# Altium PCB SAMC21_Xplained_Pro.PcbDoc (part 4 of 4)
Units mm, origin at the board's own origin, x right, y up, seen from the top; angles counter-clockwise.
Board outline 60 x 100 mm, 4 copper layers (Top Layer LF-signals, GND, POWER, Bottom Layer LF-signals), stack 1.604 mm thick; 218 components, 156 nets, 975 pads, 347 vias.
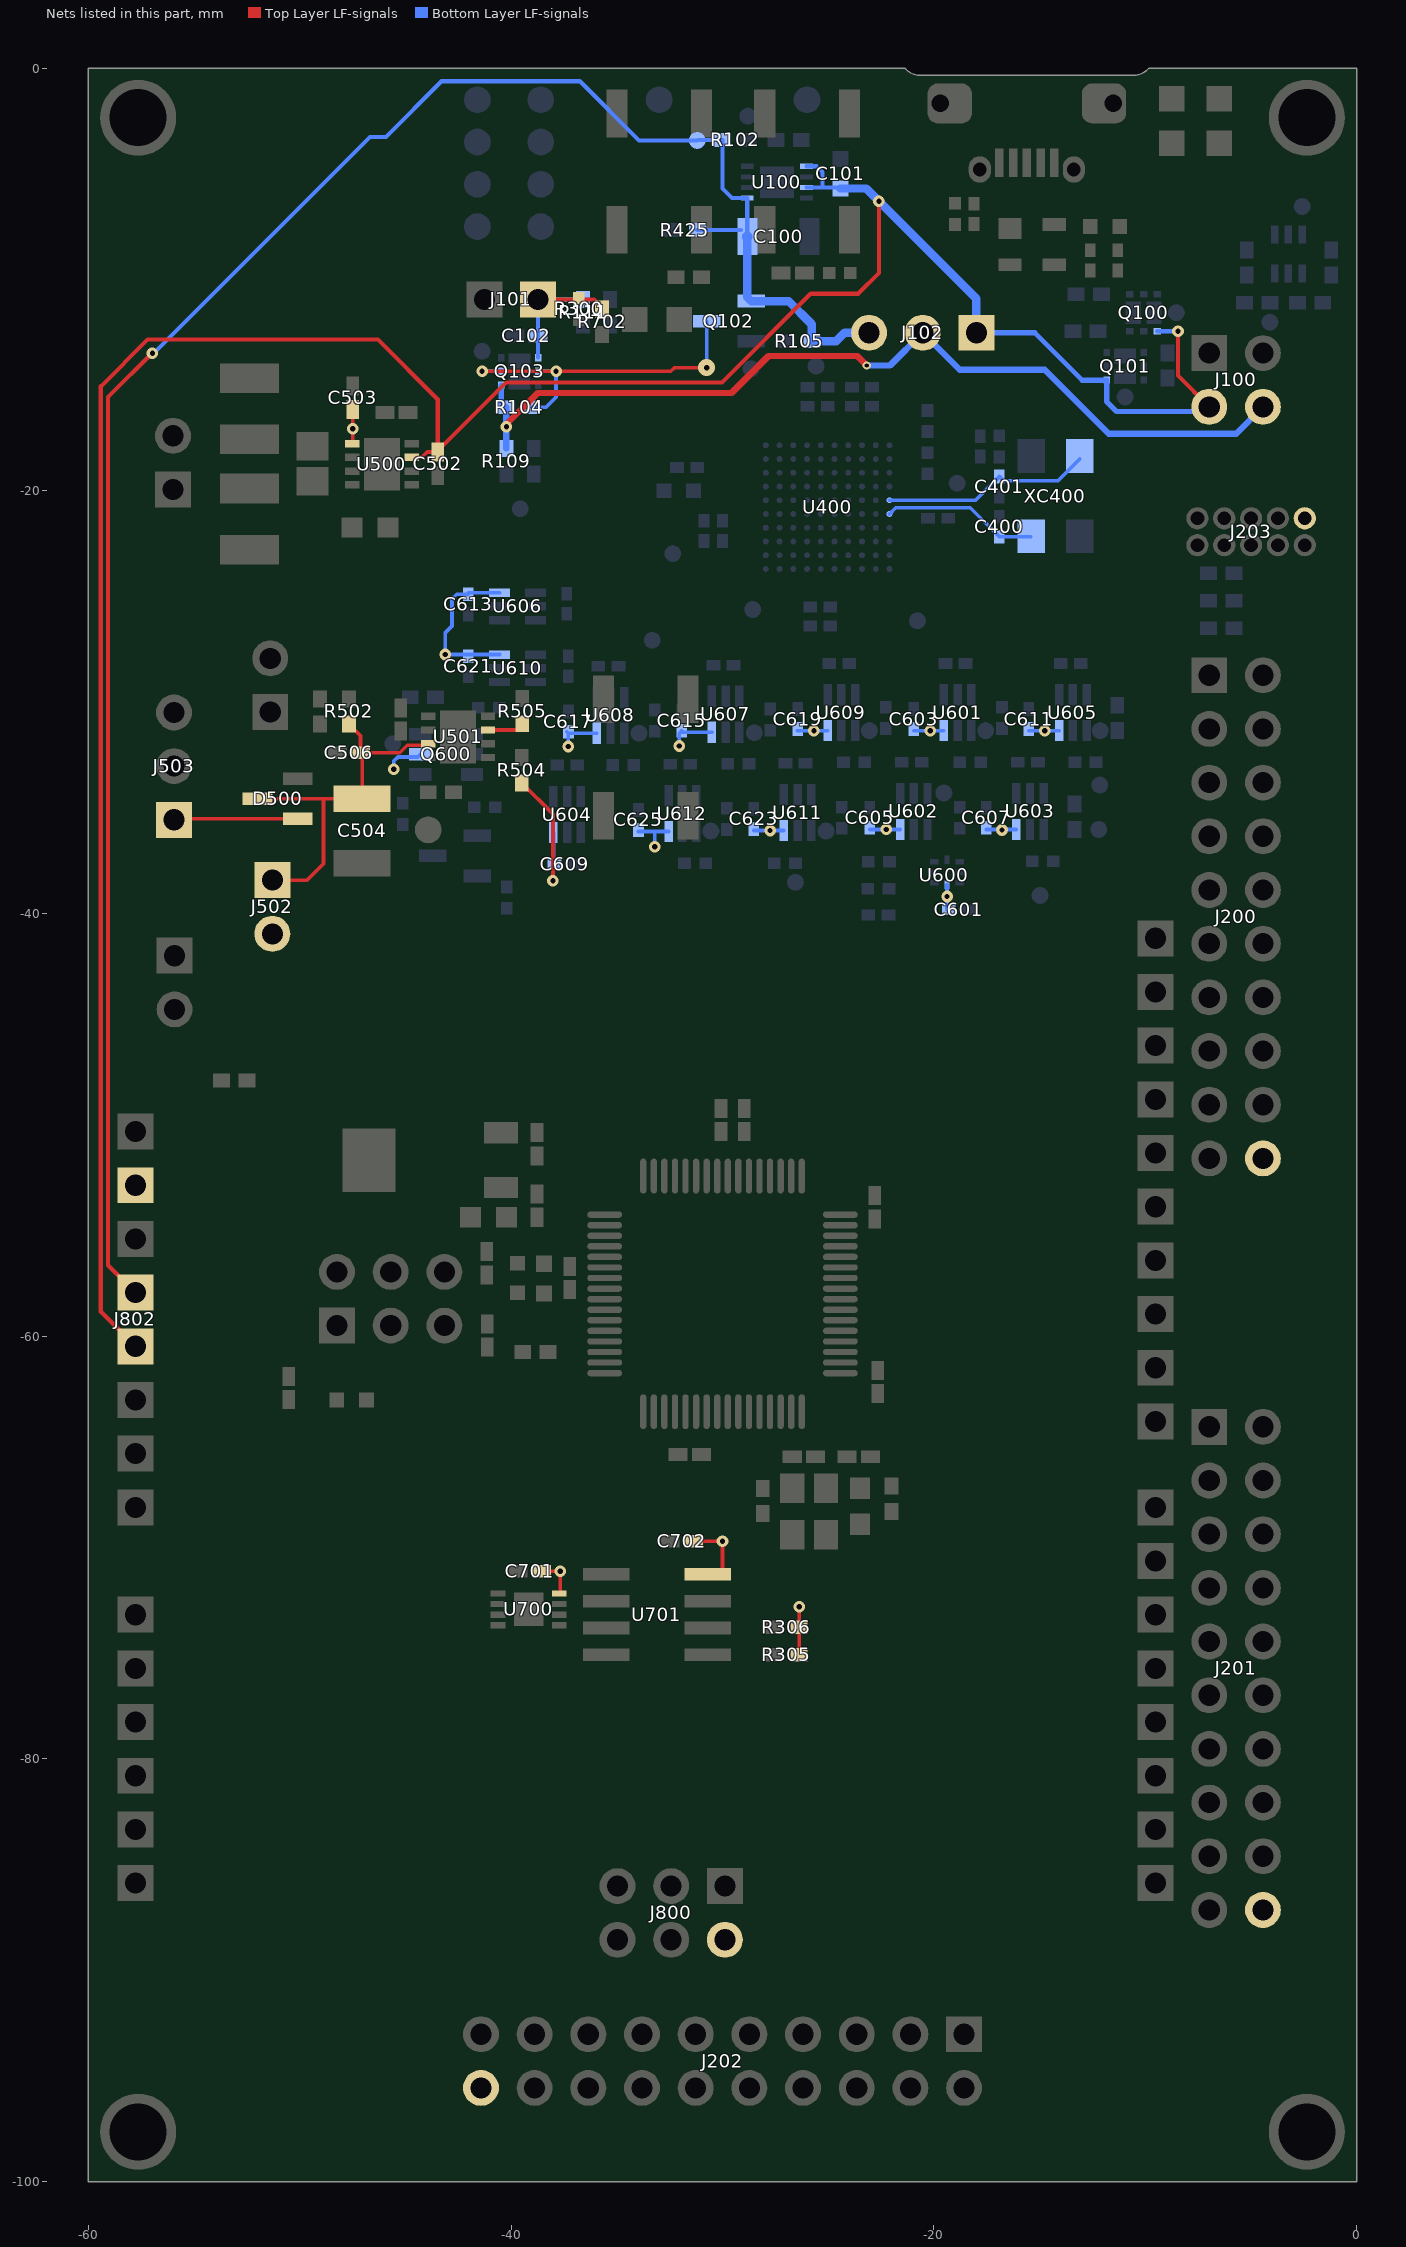
[diagram p6: the nets of this part, all layers, seen from the top]

## Via types
v1: diameter 0.55, hole 0.25, Top Layer LF-signals to Bottom Layer LF-signals, 245 vias
v2: diameter 0.55/0.8 (per signal layer), hole 0.25, Top Layer LF-signals to Bottom Layer LF-signals, tented top, 43 vias
v3: diameter 0.55, hole 0.25, Top Layer LF-signals to Bottom Layer LF-signals, tented top, 19 vias
v4: diameter 0.55, hole 0.25, Top Layer LF-signals to Bottom Layer LF-signals, tented both sides, 16 vias
v5: diameter 0.4, hole 0.2, Top Layer LF-signals to Bottom Layer LF-signals, tented both sides, 10 vias
v6: diameter 0.4, hole 0.2, Top Layer LF-signals to Bottom Layer LF-signals, tented top, 7 vias
v7: diameter 0.4, hole 0.2, Top Layer LF-signals to Bottom Layer LF-signals, 6 vias
v8: diameter 0.55/0.55 (per signal layer), hole 0.25, Top Layer LF-signals to Bottom Layer LF-signals, 1 vias

## Nets (pads, with @x,y where several pads share a name; then routed paths per layer and width w, separated by ;. In a path a pad name is that pad's centre, name@x,y a point inside that pad or via, vN(x,y) a via of type N, cw(c..) or ccw(c..) an arc to the next point about the centre after c; other vN are vias at no path point) (continued)
VCC_P3V3: C100.1 J102.3@-23.065,-12.525 J802.4@-57.778,-57.94 pad.3@-31.2,-3.425 Q102.1 R102.1 R105.1 R425.2 U100.5 | length 97
  Top Layer LF-signals w0.2: J802.4@-57.778,-57.94 -59.075,-56.643 -59.075,-15.57 -56.975,-13.47 v1(-56.975,-13.495)
  Bottom Layer LF-signals w0.2: v1@-56.948,-13.523 -46.685,-3.26 -45.925,-3.26 -43.29,-0.625 -36.75,-0.625 -33.95,-3.425 pad.3@-31.2,-3.425 -31.175,-3.4 R102.1@-30,-3.4 -30,-5.7 -29.55,-6.15 U100.5@-28.825,-6.15 C100.1@-28.825,-7.975 ; R425.2@-31.19,-7.665 C100.1@-29.135,-7.665
  Bottom Layer LF-signals w0.4: C100.1@-28.825,-7.975 -28.825,-10.85 Q102.1@-28.65,-11.025 -26.875,-11.025 -25.775,-12.125 R105.1@-25.775,-12.925 -24.625,-12.925 -24.225,-12.525 J102.3@-23.065,-12.525
VCC_P5V0: C101.1 C502.1 J100.3@-6.97,-16.03 J102.1@-17.985,-12.525 J802.5@-57.778,-60.48 Q100.4 Q101.4 U100.1 U100.3 U500.3 | length 127.6
  Top Layer LF-signals w0.175: U500.3@-44.7,-18.42 -44.225,-18.42 -43.975,-18.17 C502.1@-43.533,-18.17
  Top Layer LF-signals w0.2: J802.5@-57.778,-60.48 -59.415,-58.843 -59.415,-15.06 -57.2,-12.845 -46.305,-12.845 -43.475,-15.675 C502.1@-43.475,-18.17 ; C502.1@-43.533,-18.17 -40.238,-14.875 -30.025,-14.875 -25.825,-10.675 -23.575,-10.675 -22.6,-9.7 v1(-22.6,-6.3) v1@-22.625,-6.275 ; v1(-8.45,-12.45) -8.45,-14.55 J100.3@-6.97,-16.03
  Bottom Layer LF-signals w0.2: U100.3@-26.025,-5.65 -25.275,-5.65 ; U100.1@-26.025,-4.65 -25.55,-4.65 -25.275,-4.925 -25.275,-5.65 ; C101.1@-24.425,-5.675 -24.45,-5.65 -25.275,-5.65 ; Q100.4@-9.425,-12.45 v1(-8.45,-12.45)
  Bottom Layer LF-signals w0.25: C101.1@-24.425,-5.699 C101.1@-24.425,-5.675 ; J102.1@-17.985,-12.525 -15.225,-12.525 -12.98,-14.77 -11.835,-14.77 Q101.4@-11.825,-14.76 -11.825,-15.775 -11.35,-16.25 -7.19,-16.25 J100.3@-6.97,-16.03
  Bottom Layer LF-signals w0.4: C101.1@-24.425,-5.699 -23.202,-5.699 v1(-22.6,-6.3) -17.985,-10.915 J102.1@-17.985,-12.525
VCC_TARGET_GATE: Q102.3 Q103.2 Q103.5 R104.2 | length 17.2
  Top Layer LF-signals w0.175: v1(-41.375,-14.35) v1(-37.875,-14.35) -32.45,-14.35 -32.275,-14.175 v2(-30.75,-14.175)
  Bottom Layer LF-signals w0.175: v1(-41.375,-14.35) Q103.2@-40.475,-14.35 ; R104.2@-39.025,-16.05 -38.35,-16.05 -37.875,-15.575 v1(-37.875,-14.35) Q103.5@-38.725,-14.35 ; v2(-30.75,-14.175) Q102.3@-30.75,-11.975
VCC_TARGET_P3V3_P5V0: C102.1 C503.1 C601.2 C603.2 C605.2 C607.2 C609.2 C611.2 C613.2 C615.2 C617.2 C619.2 C621.2 C623.2 C625.2 C701.1 C702.1 J101.2 J200.20@-4.43,-51.59 J201.20@-4.43,-87.15 J202.20@-41.43,-95.57 J203.1@-2.45,-21.305 J502.2@-51.3,-40.965 J800.2@-29.889,-88.56 J802.2@-57.778,-52.86 Q103.4 Q600.2 R111.2 R300.2 R305.2 R306.2 R504.2 R702.2 U500.5 U600.8 U601.6 U602.6 U603.6 U604.6 U605.6 U606.6 U607.6 U608.6 U609.6 U610.6 U611.6 U612.6 U700.8 U701.8 | length 50.1
  Top Layer LF-signals w0.175: U500.5@-47.524,-17.77 -47.5,-17.745 C503.1@-47.5,-16.145 ; R504.2@-39.562,-33.887 R504.2@-39.5,-33.825 -38.025,-35.3 v1(-38.025,-38.45) ; J101.2@-38.73,-10.95 -36.075,-10.95 R702.2@-35.675,-11.35 ; C701.1@-38.575,-71.125 v1(-37.675,-71.125) -37.675,-72.125 U700.8@-37.725,-72.175 ; C702.1@-31.375,-69.7 v1(-30,-69.7) -30,-71.175 U701.8@-30.095,-71.27 ; R305.2@-26.375,-75.075 v1(-26.375,-72.8)
  Bottom Layer LF-signals w0.175: v1(-45.55,-33.175) -45.55,-32.788 -45.36,-32.598 -44.423,-32.598 Q600.2@-44.3,-32.475 ; C613.2@-42.025,-24.9 -42.575,-24.9 -42.8,-25.125 -42.8,-26.4 -43.125,-26.725 v1(-43.125,-27.75) U610.6@-40.55,-27.75 ; C613.2@-42.025,-24.825 U606.6@-40.55,-24.825 ; J101.2@-38.73,-10.95 R111.2@-36.6,-10.95 ; v1(-38.025,-38.45) -38.025,-37.675 -38,-37.65 U604.6@-38,-36.175 ; C617.2@-37.375,-31.4 C617.2@-37.3,-31.475 ; v1@-37.3,-32.075 C617.2@-37.3,-31.475 ; U608.6@-35.95,-31.475 C617.2@-37.3,-31.475 ; C625.2@-33.975,-36.125 -33.2,-36.125 ; v1(-33.2,-36.85) -33.2,-36.125 ; U612.6@-32.55,-36.125 -33.2,-36.125 ; v1(-32.05,-32.075) -32.05,-31.475 C615.2@-31.925,-31.35 -31.925,-31.425 U607.6@-30.5,-31.425 ; C623.2@-28.525,-36.075 U611.6@-27.1,-36.075 ; C619.2@-26.45,-31.35 U609.6@-25.025,-31.35 ; C605.2@-23.025,-36.025 U602.6@-21.6,-36.025 ; C603.2@-20.95,-31.35 U601.6@-19.525,-31.35 ; C601.2@-19.375,-39.825 U600.8@-19.375,-38.65 ; C607.2@-17.525,-36.025 U603.6@-16.1,-36.025 ; C611.2@-15.5,-31.35 U605.6@-14.075,-31.35
  Bottom Layer LF-signals w0.2: J101.2@-38.958,-11.178 -38.725,-11.411 C102.1@-38.725,-12.675 Q103.4@-38.725,-13.7
  other v1: -19.375,-39.2 -27.75,-36.075 -16.775,-36.05 -22.25,-36.025 -37.3,-32.1 -25.675,-31.35 -20.175,-31.35 -14.75,-31.35 -47.5,-17.07
VCC_TARGET_SWITCH_P3V3_P5V0: J100.4@-4.43,-16.03 J102.2@-20.525,-12.525 Q103.1 R104.1 R109.2 | length 43.7
  Top Layer LF-signals w0.3: v1(-40.225,-16.975) -40.225,-16.85 -38.75,-15.375 -29.575,-15.375 -27.825,-13.625 -23.625,-13.625 v7(-23.175,-14.075)
  Bottom Layer LF-signals w0.25: Q103.1@-40.475,-15 -40.475,-15.8 R104.1@-40.225,-16.05
  Bottom Layer LF-signals w0.3: R109.2@-40.225,-18 R104.1@-40.225,-16.05 ; v7(-23.175,-14.075) -22.075,-14.075 J102.2@-20.525,-12.525 -18.775,-14.275 -14.75,-14.275 -11.725,-17.3 -5.7,-17.3 J100.4@-4.43,-16.03
VS: D500.1 J503.1@-55.95,-35.57 | length 5.9
  Top Layer LF-signals w0.175: J503.1@-55.95,-35.57 -55.9,-35.52 D500.1@-50.1,-35.52
VS_LIN: C504.1 C506.1 D500.3 J502.1@-51.3,-38.425 R502.2 U501.7 | length 18.6
  Top Layer LF-signals w0.175: D500.3@-52,-34.57 -48.875,-34.57 ; J502.1@-51.3,-38.425 -49.655,-38.425 -48.875,-37.645 -48.875,-34.57 ; C504.1@-48.048,-34.068 C504.1@-47.545,-34.57 ; R502.2@-47.675,-31.045 -47.125,-31.595 C506.1@-47.125,-32.4 ; U501.7@-43.925,-31.97 -43.925,-32.043 -44.918,-32.043 -45.275,-32.4 -47.05,-32.4 C504.1@-47.05,-34.57 C504.1@-47.545,-34.57 ; -48.875,-34.57 C504.1@-47.545,-34.57
WKIN: R505.2 U501.3 | length 1.7
  Top Layer LF-signals w0.175: U501.3@-41.1,-31.32 R505.2@-39.4,-31.32
XIN0: C400.1 U400.A5 XC400.1 | length 7.4
  Bottom Layer LF-signals w0.175: U400.A5@-22.1,-21.1 -21.8,-20.8 -18.275,-20.8 C400.1@-16.9,-22.175 XC400.1@-15.425,-22.175
XOUT0: C401.1 U400.A6 XC400.3 | length 10
  Bottom Layer LF-signals w0.175: U400.A6@-22.1,-20.45 -18.025,-20.45 C401.1@-16.9,-19.325 -16.7,-19.525 -14.125,-19.525 XC400.3@-13.1,-18.5
pads on no net: CS700.1 J100.1@-6.97,-13.49 J100.2@-4.43,-13.49 J100.3@-6.97,-16.03 J100.4@-4.43,-16.03 J102.1@-17.985,-12.525 J102.2@-20.525,-12.525 J102.3@-23.065,-12.525 J200.1@-6.97,-28.73 J200.2@-4.43,-28.73 J200.3@-6.97,-31.27 J200.4@-4.43,-31.27 J200.5@-6.97,-33.81 J200.6@-4.43,-33.81 J200.7@-6.97,-36.35 J200.8@-4.43,-36.35 J200.9@-6.97,-38.89 J200.10@-4.43,-38.89 J200.11@-6.97,-41.43 J200.12@-4.43,-41.43 J200.13@-6.97,-43.97 J200.14@-4.43,-43.97 J200.15@-6.97,-46.51 J200.16@-4.43,-46.51 J200.17@-6.97,-49.05 J200.18@-4.43,-49.05 J200.19@-6.97,-51.59 J200.20@-4.43,-51.59 J201.1@-6.97,-64.29 J201.2@-4.43,-64.29 J201.3@-6.97,-66.83 J201.4@-4.43,-66.83 J201.5@-6.97,-69.37 J201.6@-4.43,-69.37 J201.7@-6.97,-71.91 J201.8@-4.43,-71.91 J201.9@-6.97,-74.45 J201.10@-4.43,-74.45 J201.11@-6.97,-76.99 J201.12@-4.43,-76.99 J201.13@-6.97,-79.53 J201.14@-4.43,-79.53 J201.15@-6.97,-82.07 J201.16@-4.43,-82.07 J201.17@-6.97,-84.61 J201.18@-4.43,-84.61 J201.19@-6.97,-87.15 J201.20@-4.43,-87.15 J202.1@-18.57,-93.03 J202.2@-18.57,-95.57 J202.3@-21.11,-93.03 J202.4@-21.11,-95.57 J202.5@-23.65,-93.03 J202.6@-23.65,-95.57 J202.7@-26.19,-93.03 J202.8@-26.19,-95.57 J202.9@-28.73,-93.03 J202.10@-28.73,-95.57 J202.11@-31.27,-93.03 J202.12@-31.27,-95.57 J202.13@-33.81,-93.03 J202.14@-33.81,-95.57 J202.15@-36.35,-93.03 J202.16@-36.35,-95.57 J202.17@-38.89,-93.03 J202.18@-38.89,-95.57 J202.19@-41.43,-93.03 J202.20@-41.43,-95.57 J203.1@-2.45,-21.305 J203.2@-2.45,-22.575 J203.3@-3.72,-21.305 J203.4@-3.72,-22.575 J203.5@-4.99,-21.305 J203.6 J203.7 J203.8 J203.9@-7.53,-21.305 J203.10@-7.53,-22.575 J400.4 J400.6@-12,-1.675 J400.7@-19.2,-1.675 J400.8@-13.375,-4.8 J400.9@-17.825,-4.8 J500.1@-56,-19.94 J500.2@-56,-17.4 J501.1@-51.4,-30.47 J501.2@-51.4,-27.93 J502.1@-51.3,-38.425 J502.2@-51.3,-40.965 J503.1@-55.95,-35.57 J503.2@-55.95,-33.03 J503.3@-55.95,-30.49 J700.1@-55.925,-42 J700.2@-55.925,-44.54 J701.1@-48.24,-59.5 J701.2@-48.24,-56.96 J701.3@-45.7,-59.5 J701.4@-45.7,-56.96 J701.5@-43.16,-59.5 J701.6@-43.16,-56.96 J800.1@-29.889,-86.02 J800.2@-29.889,-88.56 J800.3@-32.429,-86.02 J800.4@-32.429,-88.56 J800.5@-34.969,-86.02 J800.6@-34.969,-88.56 J801.1@-9.518,-64.036 J801.2@-9.518,-61.496 J801.3@-9.518,-58.956 J801.4@-9.518,-56.416 J801.5@-9.518,-53.876 J801.6@-9.518,-51.336 J801.7@-9.518,-48.796 J801.8@-9.518,-46.256 J801.9@-9.518,-43.716 J801.10@-9.518,-41.176 J802.1 J802.2@-57.778,-52.86 J802.3@-57.778,-55.4 J802.4@-57.778,-57.94 J802.5@-57.778,-60.48 J802.6@-57.778,-63.02 J802.7@-57.778,-65.56 J802.8@-57.778,-68.1 J803.1@-57.778,-73.18 J803.2@-57.778,-75.72 J803.3@-57.778,-78.26 J803.4@-57.778,-80.8 J803.5@-57.778,-83.34 J803.6@-57.778,-85.88 J804.1@-9.518,-85.88 J804.2@-9.518,-83.34 J804.3@-9.518,-80.8 J804.4@-9.518,-78.26 J804.5@-9.518,-75.72 J804.6@-9.518,-73.18 J804.7@-9.518,-70.64 J804.8@-9.518,-68.1 U100.0 U100.2 U100.4 U100.6 U400.A3 U400.A4 U400.A7 U400.B1 U400.C1 U400.C2 U400.C4 U400.C6 U400.D1 U400.D2 U400.D3 U400.D5 U400.D7 U400.E1 U400.E3 U400.E4 U400.E7 U400.E8 U400.F3 U400.F4 U400.G1 U400.G4 U400.G6 U400.G8 U400.G9 U400.G10 U400.H5 U400.H10 U400.J2 U400.J3 U400.J7 U400.K5 U400.K6 U400.K7 U600.2@-20.25,-38.925 U700.1 U700.2 U700.3 U700.7 U701.1 U701.2 U701.3 U701.7 XC400.2 XC400.4

## Polygon pours and split planes (outlines as drawn)
no net on Top Overlay "MountingHole_Index" (solid): -4.5,-0.3 -0.3,-0.3 -0.3,-4.5 -4.5,-4.5
GND on Bottom Layer LF-signals "Regulator_GND" (solid, remove dead copper, pour order 10): -28.275,-2.275 -28.275,-9.275 -24.975,-9.275 -24.975,-2.275
GND on Bottom Layer LF-signals "Bottom Layer LF-signals-No Net" (hatched 45Degree grid 1.5 track 0.2, pour order 9): -55.6,-87.325 -55.6,-99.325 -43.6,-99.325 -43.6,-87.325 -55.6,-87.325
VCC_P3V3 on Bottom Layer LF-signals "Regulator_P3V3" (solid, pour order 8): -27.925,-2.275 -27.925,-9.275 -31.79,-9.275 -31.79,-2.275 -27.925,-2.275
GND on Bottom Layer LF-signals "Bottom_GND_Fill" (solid, remove dead copper, pour order 12): -59.7,-0.3 -0.3,-0.3 -0.3,-99.7 -59.7,-99.7
GND on Top Layer LF-signals "Top_GND_fill" (solid, remove dead copper, pour order 13): -59.7,-0.3 -0.3,-0.3 -0.3,-99.7 -59.7,-99.7
NetCS700_1 on GND (split plane): -45.6,-97.325 -53.6,-97.325 -53.6,-89.325 -45.6,-89.325
GND on GND (split plane): -0.252,-99.748 -59.748,-99.748 -59.748,-0.252 -21.48,-0.252 -21.403,-0.321 -21.285,-0.405 -21.158,-0.474 -21.025,-0.53 -20.886,-0.57 -20.744,-0.594 -20.601,-0.602 -20.6,-0.602 -10.6,-0.602 -10.599,-0.602 -10.456,-0.594 -10.314,-0.57 -10.175,-0.53 -10.042,-0.474 -9.915,-0.405 -9.797,-0.321 -9.72,-0.252 -0.252,-0.252
VCC_EDBG_P3V3 on POWER (split plane): -0.252,-14.323 -5.9,-14.323 -5.946,-14.33 -5.988,-14.347 -6.025,-14.375 -6.053,-14.412 -6.07,-14.454 -6.077,-14.5 -6.077,-17.5 -6.07,-17.546 -6.053,-17.588 -6.025,-17.625 -4.677,-18.973 -4.677,-27.323 -9.35,-27.323 -9.396,-27.33 -9.438,-27.347 -9.475,-27.375 -9.503,-27.412 -9.52,-27.454 -9.527,-27.5 -9.527,-30.523 -36.598,-30.523 -36.598,-27.5 -36.598,-8.048 -35.077,-6.527 -31.898,-6.527 -31.852,-6.521 -31.81,-6.503 -31.773,-6.475 -31.675,-6.377 -31.647,-6.34 -31.63,-6.298 -31.623,-6.252 -31.623,-0.252 -21.48,-0.252 -21.403,-0.321 -21.285,-0.405 -21.158,-0.474 -21.025,-0.53 -20.886,-0.57 -20.744,-0.594 -20.601,-0.602 -20.6,-0.602 -10.6,-0.602 -10.599,-0.602 -10.456,-0.594 -10.314,-0.57 -10.175,-0.53 -10.042,-0.474 -9.915,-0.405 -9.797,-0.321 -9.72,-0.252 -0.252,-0.252
VCC_MCU_P3V3_P5V0 on POWER (split plane): -40.177,-10.098 -40.177,-44.8 -40.17,-44.846 -40.153,-44.888 -40.125,-44.925 -37.525,-47.525 -37.488,-47.553 -37.446,-47.57 -37.4,-47.577 -19.548,-47.577 -18.352,-48.773 -18.352,-67.352 -20.148,-69.148 -37.727,-69.148 -41.173,-65.702 -41.173,-47.85 -41.18,-47.804 -41.197,-47.762 -41.225,-47.725 -42.473,-46.477 -42.473,-10.073 -42.102,-9.702 -40.573,-9.702
VCC_TARGET_P3V3_P5V0 on POWER (split plane): -31.977,-6.173 -35.15,-6.173 -35.196,-6.18 -35.238,-6.197 -35.275,-6.225 -36.9,-7.85 -36.928,-7.887 -36.945,-7.929 -36.952,-7.975 -36.952,-27.5 -36.952,-30.7 -36.945,-30.746 -36.928,-30.788 -36.9,-30.825 -36.863,-30.853 -36.821,-30.87 -36.775,-30.877 -9.35,-30.877 -9.304,-30.87 -9.262,-30.853 -9.225,-30.825 -9.197,-30.788 -9.18,-30.746 -9.173,-30.7 -9.173,-27.677 -4.5,-27.677 -4.454,-27.67 -4.412,-27.653 -4.375,-27.625 -4.347,-27.588 -4.33,-27.546 -4.323,-27.5 -4.323,-18.9 -4.33,-18.854 -4.347,-18.812 -4.375,-18.775 -5.723,-17.427 -5.723,-14.677 -0.252,-14.677 -0.252,-99.748 -59.748,-99.748 -59.748,-0.252 -31.977,-0.252

## Keep-outs
Keep-Out Layer:
  lines w0.1: -59.7,-99.7 -59.7,-0.3 -21.375,-0.3 ccw(c-20.921,0.022) -20.599,-0.432 -10.6,-0.432 ccw(c-10.278,0.021) -9.825,-0.3 -0.3,-0.3 -0.3,-99.7 -59.7,-99.7

## Other copper
Top Layer LF-signals:
  pour cut-out: -55.6,-87.325 -55.6,-99.325 -43.6,-99.325 -43.6,-87.325
Bottom Layer LF-signals:
  pour cut-out: -55.6,-87.325 -55.6,-99.325 -43.6,-99.325 -43.6,-87.325
POWER (plane layer: these items are gaps in the copper):
  rectangle: -55.6,-99.325 -43.6,-87.325
  lines w0.35: -31.8,0.075 -31.8,-6.252 -31.898,-6.35 -35.15,-6.35 -36.775,-7.975 -36.775,-27.5 -36.775,-30.7 -12.375,-30.7 -9.35,-30.7 -9.35,-27.5 -9.325,-27.5 -4.5,-27.5 -4.5,-18.9 -5.9,-17.5 -5.9,-14.5 0,-14.5 ; -42.65,-46.55 -42.65,-10 -42.175,-9.525 -40.5,-9.525 -40,-10.025 -40,-44.8 -37.4,-47.4 -19.475,-47.4 -18.175,-48.7 -18.175,-67.425 -20.075,-69.325 -37.8,-69.325 -41.35,-65.775 -41.35,-47.85 -42.65,-46.55

## Silkscreen, mask and mechanical layers (free items; w line width, h text height)
Top Overlay:
  circle w0.1: c-49.651,-93.4 r1.601
  pour cut-out: -4.25,-2.35 ccw(c-2.35,-2.35) -2.35,-4.25 ccw(c-2.35,-2.35) -0.45,-2.35 ccw(c-2.35,-2.35) -2.35,-0.45 ccw(c-2.35,-2.35)
  lines w0.1: -51.25,-93.85 ccw(c-49.65,-93.85) -48.05,-93.85 ; -51.25,-93.775 ccw(c-49.65,-93.775) -48.05,-93.775 ; -51.25,-93.7 ccw(c-49.65,-93.7) -48.05,-93.7 ; -51.25,-93.625 ccw(c-49.65,-93.625) -48.05,-93.625 ; -51.25,-93.551 ccw(c-49.65,-93.551) -48.05,-93.551 ; -51.25,-93.476 ccw(c-49.65,-93.476) -48.05,-93.476 ; -53.6,-97.35 -53.6,-89.35 -45.6,-89.35 -45.6,-97.35 -53.6,-97.35
  text "VCC_MCU" at -40.925,-5.246 h1 r90
  text "GND" at -59.025,-5.4 h1.52
  text "GND" at -3.75,-5.75 h1.52
  text "VCC_TARGET" at -38.3,-6.875 h1 r90
  text "DEBUG USB" at -21.4,-8.1 h1.5 r90
  text "POWER" at -8.25,-10 h1.5 r90
  text "STATUS" at -6,-10.25 h1.5 r90
  text "SW0" at -36.2,-10.5 h1.5
  text "VCC-SEL" at -23.5,-10.7 h1.5
  text "RESET" at -28.6,-11.375 h1.5
  text "PWR" at -3.425,-11.362 h1.5
  text "5.0V_IN" at -8.975,-12.35 h1
  text "GND" at -5.325,-12.35 h1
  text "1" at -9.063,-13.913 h1.5
  text "LED0" at -34.475,-14.15 h1.5
  text "3.3V" at -23.925,-15.275 h1.5
  text "5.0V" at -19.975,-15.275 h1.5
  text "CANL" at -57.8,-15.845 h1.5
  text "3" at -9.063,-16.453 h1.5
  text "VCC" at -5.325,-17.8 h1
  text "5.0V" at -7.85,-17.825 h1
  text "SAM C21" at -7.3,-18.85 h1.1
  text "h" at -41.288,-19.613 h7
  text "CORTEX DEBUG" at -9.1,-19.7 h1.1
  text "CAN" at -58,-20.663 h2 r90
  text "CANH" at -57.975,-22.57 h1.5
  text "SAMC21" at -38.583,-23.622 h2
  text "X" at -30.3,-23.65 h4
  text "PLAINED" at -26.875,-23.65 h2
  text "PRO" at -17.95,-23.65 h1
  text "STBY" at -48.338,-23.663 h1.5
  text "MASTER" at -49.512,-26.625 h1.5
  text "EXT1" at -3.45,-26.85 h1.5
  text "2" at -4.725,-27.1 h1.5
  text "1" at -7.25,-27.125 h1.5
  text "NODE" at -49.475,-27.8 h1.5
  text "LIN" at -56.95,-28.77 h1.5
  text "PULL-UP" at -49.512,-28.887 h1.5
  text "LIN" at -58.087,-34.3 h2 r90
  text "GND" at -53.225,-34.575 h1.5 r90
  text "INH" at -43,-36.463 h1.5
  text "VS" at -56.85,-38.27 h1.5
  text "LIN" at -34.975,-38.32 h1.5
  text "WAKEUP" at -36.6,-39.495 h1.5
  text "DAC" at -57.075,-40.475 h1.5
  text "LIN VCC" at -49.325,-40.925 h1.5
  text "D15(SCL)" at -17.775,-41.525 h1.5
  text "POWER" at -49.325,-42.175 h1.5
  text "D14(SDA)" at -17.775,-44.064 h1.5
  text "AREF" at -17.776,-46.604 h1.5
  text "GND" at -57.425,-47 h1.5
  text "DAC-OUT" at -57.987,-47.125 h2 r90
  text "SAMC21J18A" at -34.5,-47.8 h2
  text "GND" at -17.776,-49.143 h1.5
  text "32kHz CRYSTAL" at -48.1,-49.4 h1.5
  text "----" at -55.812,-50.8 h1.5
  text "D13(SCK)" at -17.776,-51.683 h1.5
  text "IOREF" at -55.85,-53.36 h1.5
  text "19" at -7.725,-53.925 h1.5
  text "20" at -5.2,-53.925 h1.5
  text "D12(MISO)" at -17.776,-54.222 h1.5
  text "ADC/" at -46.875,-54.712 h1
  text "VCC" at -49.2,-55.4 h1
  text "DAC" at -46.838,-55.45 h1
  text "GND" at -44.738,-55.45 h1
  text "RESET" at -55.85,-55.9 h1.5
  text "D11(MOSI)" at -17.776,-56.762 h1.5
  text "3V3" at -55.85,-58.44 h1.5
  text "D10(SS)" at -17.776,-59.301 h1.5
  text "VREF" at -49.825,-59.6 h1.5 r90
  text "5V0" at -55.849,-60.98 h1.5
  text "SD-" at -46.213,-61.637 h1
  text "VCC" at -49.125,-61.65 h1
  text "GND" at -43.95,-61.663 h1
  text "D9" at -17.776,-61.842 h1.5
  text "ADC" at -46.263,-62.325 h1
  text "EXT2" at -3.625,-62.45 h1.5
  text "1" at -7.225,-62.825 h1.5
  text "2" at -4.825,-62.825 h1.5
  text "GND" at -55.85,-63.52 h1.5
  text "D8" at -17.776,-64.381 h1.5
  text "GND" at -55.85,-66.06 h1.5
  text "D7" at -17.776,-68.441 h1.5
  text "VIN" at -55.85,-68.6 h1.5
  text "D6" at -17.776,-71 h1.5
  text "16MHz" at -27.725,-71.463 h1.5
  text "CRYSTAL" at -27.812,-72.538 h1.5
  text "D5" at -17.776,-73.56 h1.5
  text "A0" at -55.75,-73.725 h1.5
  text "D4" at -17.776,-76.119 h1.5
  text "A1" at -55.75,-76.265 h1.5
  text "ATECC108" at -38.825,-77.325 h1.6
  text "D3" at -17.776,-78.679 h1.5
  text "A2" at -55.75,-78.805 h1.5
  text "D2" at -17.776,-81.254 h1.5
  text "A3" at -55.75,-81.345 h1.5
  text "D1 (TXD)" at -17.776,-83.541 h1.5
  text "A4" at -55.75,-83.885 h1.5
  text "RESET" at -36.812,-84.437 h0.67
  text "SCK" at -33.288,-84.45 h0.67
  text "MISO" at -30.725,-84.45 h0.67
  text "D0 (RXD)" at -17.776,-86.101 h1.5
  text "A5" at -55.75,-86.425 h1.5
  text "QT BTN 1" at -52.275,-89 h1.5
  text "19" at -7.725,-89.525 h1.5
  text "20" at -5.05,-89.525 h1.5
  text "GND" at -36.075,-90.875 h0.67
  text "MOSI" at -33.587,-90.913 h0.67
  text "VCC" at -30.762,-90.913 h0.67
  text "19" at -44.25,-93.575 h1.5
  text "1" at -16.8,-93.575 h1.5
  text "GND" at -59.2,-95.6 h1.52
  text "GND" at -3.8,-95.6 h1.52
  text "2" at -16.65,-95.975 h1.5
  text "20" at -44.25,-96.05 h1.5
  text "EXT3" at -16.65,-98.95 h1.5
Bottom Overlay:
  lines w0.1: -16.35,-22.85 -16.35,-23.075 -16.175,-23.25 -15.95,-23.25 ; -12.125,-14.6 -12.125,-15.11 -11.51,-15.11 ; -12.125,-13.725 -12.125,-13.11 ; -10.49,-15.11 -9.775,-15.11
  lines w0.2: -38.188,-36.95 -36.213,-36.95 ; -36,-35.55 -36,-33.725 ; -33.95,-30.825 -33.95,-29.025 ; -30.55,-35.45 -30.55,-33.675 ; -29.975,-32.213 -28.537,-32.213 ; -28.5,-30.775 -28.5,-30.275 ; -25.1,-35.45 -25.1,-33.625 ; -23.025,-30.7 -23.025,-30.225 ; -19.6,-36.75 -19.6,-34.95 ; -17.525,-30.675 -17.525,-28.9 ; -14.1,-36.775 -14.1,-34.475 ; -13.175,-5.9 ccw(c-9.324,-4.707) -10.417,-0.827 ; -12.075,-30.625 -12.075,-28.9 ; -10.275,-50.075 -8.05,-50.075 -7.888,-49.913 ; -10.262,-47.55 -8.062,-47.55 -7.838,-47.325 ; -10.212,-82.125 -8.287,-82.125 ; -10.212,-79.55 -8.2,-79.55 ; -10.2,-77 -8.225,-77 ; -10.188,-74.513 -8.212,-74.513 ; -10.188,-71.987 -8.25,-71.987 ; -10.188,-69.4 -8.275,-69.4 ; -10.175,-84.613 -8.262,-84.613 ; -10.162,-42.513 -8.075,-42.513 -7.775,-42.212 ; -10.15,-44.975 -7.962,-44.975 -7.762,-44.775
  text "BOOT" at -34.05,-1.9 h1.5
  text "GND" at -42.6,-2 h1.5
  text "TCK" at -42.6,-4 h1.5
  text "RST" at -34.827,-4 h1.5
  text "TDI" at -42.6,-6 h1.5
  text "TDO" at -34.6,-6 h1.5
  text "TMS" at -42.6,-8 h1.5
  text "VCC" at -34.621,-8 h1.5
  text "EXT" at -6.175,-12.35 h0.67
  text "GND" at -1.4,-13.825 h0.67
  text "VCC" at -1.288,-16.462 h0.67
  text "5.0V" at -8.037,-16.55 h0.67
  text "ID" at -8.142,-29.035 h0.67
  text "GND" at -0.795,-29.035 h0.67
  text "PB09" at -8.05,-31.575 h0.67
  text "PB08" at -0.795,-31.574 h0.67
  text "PA20" at -8.142,-34.113 h0.67
  text "PA21" at -0.795,-34.113 h0.67
  text "PB12" at -8.142,-36.652 h0.67
  text "PB13" at -0.795,-36.652 h0.67
  text "PB14" at -8.142,-39.192 h0.67
  text "PB15" at -0.795,-39.192 h0.67
  text "PA13" at -0.795,-41.731 h0.67
  text "PA12" at -10.525,-42.8 h0.67
  text "PA22" at -0.795,-44.27 h0.67
  text "PA23" at -10.525,-45.35 h0.67
  text "PA18" at -0.795,-46.809 h0.67
  text "PA17" at -10.575,-47.9 h0.67
  text "PA19" at -0.795,-49.349 h0.67
  text "PA16" at -10.6,-50.45 h0.67
  text "VCC" at -0.795,-51.888 h0.67
  text "GND" at -6.15,-53.375 h0.67
  text "XPLAINED PRO" at -18.8,-58.543 h0.67
  text "EXTENSION HEADER" at -17.456,-59.693 h0.67
  text "ID" at -22.725,-62.725 h1.3
  text "GND" at -15.6,-62.725 h1.3
  text "ID" at -6.525,-63.25 h0.67
  text "GND" at -0.75,-64.595 h0.67
  text "ADC+" at -22.725,-64.85 h1.3
  text "ADC-" at -15.6,-64.85 h1.3
  text "GPIO0" at -22.725,-66.975 h1.3
  text "GPIO1" at -15.6,-66.975 h1.3
  text "PA08" at -8.15,-67.075 h0.67
  text "PA09" at -0.75,-67.134 h0.67
  text "PWM+" at -22.725,-69.1 h1.3
  text "PWM-" at -15.6,-69.1 h1.3
  text "PA11" at -0.75,-69.673 h0.67
  text "PA10" at -10.525,-69.725 h0.67
  text "IRQ" at -22.725,-71.225 h1.3
  text "SPI_SS_B" at -15.6,-71.225 h1.3
  text "PB31" at -0.75,-72.212 h0.67
  text "PB30" at -10.525,-72.25 h0.67
  text "p" at -48.4,-73.175 h4 r270
  text "TWI_SDA" at -22.725,-73.35 h1.3
  text "TWI_SCL" at -15.6,-73.35 h1.3
  text "PB17" at -0.75,-74.752 h0.67
  text "PB16" at -10.525,-74.8 h0.67
  text "UART_RX" at -22.725,-75.475 h1.3
  text "UART_TX" at -15.6,-75.475 h1.3
  text "t" at -47.425,-76.75 h4 r270
  text "PA13" at -0.75,-77.291 h0.67
  text "PA12" at -10.525,-77.35 h0.67
  text "SPI_SS_A" at -22.725,-77.6 h1.3
  text "SPI_MOSI" at -15.6,-77.6 h1.3
  text "SPI_MISO" at -22.725,-79.725 h1.3
  text "SPI_SCK" at -15.6,-79.725 h1.3
  text "PA22" at -0.75,-79.83 h0.67
  text "PA23" at -10.525,-79.9 h0.67
  text "A08-2247 Rev 2" at -42.75,-81.05 h2 r270
  text "GND" at -22.725,-81.85 h1.3
  text "VCC" at -15.6,-81.85 h1.3
  text "c" at -48.45,-81.95 h4 r270
  text "PB00" at -0.75,-82.369 h0.67
  text "PB03" at -10.525,-82.425 h0.67
  text "PB01" at -0.75,-84.909 h0.67
  text "PB02" at -10.525,-84.975 h0.67
  text "Atmel Corp © 2015" at -50.45,-85.075 h2 r270
  text "VCC" at -0.75,-87.448 h0.67
  text "GND" at -8.1,-87.775 h0.67
  text "GND" at -41.653,-91.853 h0.67 r270
  text "PB02" at -39.114,-91.853 h0.67 r270
  text "PA02" at -36.574,-91.853 h0.67 r270
  text "PA23" at -34.035,-91.853 h0.67 r270
  text "PA12" at -31.496,-91.853 h0.67 r270
  text "PA28" at -28.957,-91.853 h0.67 r270
  text "PA14" at -26.417,-91.853 h0.67 r270
  text "PB04" at -23.878,-91.853 h0.67 r270
  text "PB07" at -21.339,-91.853 h0.67 r270
  text "ID" at -18.8,-91.853 h0.67 r270
  text "VCC" at -41.653,-99.295 h0.67 r270
  text "PB01" at -39.114,-99.295 h0.67 r270
  text "PB00" at -36.574,-99.295 h0.67 r270
  text "PA22" at -34.035,-99.295 h0.67 r270
  text "PA13" at -31.496,-99.295 h0.67 r270
  text "PA27" at -28.957,-99.295 h0.67 r270
  text "PA15" at -26.417,-99.295 h0.67 r270
  text "PB05" at -23.878,-99.295 h0.67 r270
  text "PB06" at -21.339,-99.295 h0.67 r270
  text "GND" at -18.8,-99.295 h0.67 r270
Mechanical 1:
  lines w0.1: -19.1,-0.353 -12.082,-0.353 ; -60,-100 -60,0 -21.375,0 ccw(c-20.6,0.686) -20.6,-0.35 -10.6,-0.35 ccw(c-10.6,0.686) -9.825,-0.001 0,0 0,-100 -60,-100
Mechanical 4:
  circle w0.254: c-6.97,-87.15 r0.5
  circle w0.254: c-4.43,-87.15 r0.5
  circle w0.254: c-4.43,-84.61 r0.5
  circle w0.254: c-6.97,-84.61 r0.5
  circle w0.254: c-6.97,-82.07 r0.5
  circle w0.254: c-4.43,-82.07 r0.5
  circle w0.254: c-4.43,-79.53 r0.5
  circle w0.254: c-6.97,-79.53 r0.5
  circle w0.254: c-4.43,-76.99 r0.5
  circle w0.254: c-6.97,-76.99 r0.5
  circle w0.254: c-6.97,-74.45 r0.5
  circle w0.254: c-4.43,-74.45 r0.5
  circle w0.254: c-4.43,-71.91 r0.5
  circle w0.254: c-6.97,-71.91 r0.5
  circle w0.254: c-4.43,-69.37 r0.5
  circle w0.254: c-6.97,-69.37 r0.5
  circle w0.254: c-4.43,-66.83 r0.5
  circle w0.254: c-6.97,-66.83 r0.5
  circle w0.254: c-4.43,-64.29 r0.5
  circle w0.254: c-6.97,-64.29 r0.5
  circle w0.254: c-18.57,-93.03 r0.5
  circle w0.254: c-18.57,-95.57 r0.5
  circle w0.254: c-21.11,-93.03 r0.5
  circle w0.254: c-21.11,-95.57 r0.5
  circle w0.254: c-23.65,-93.03 r0.5
  circle w0.254: c-23.65,-95.57 r0.5
  circle w0.254: c-26.19,-93.03 r0.5
  circle w0.254: c-26.19,-95.57 r0.5
  circle w0.254: c-28.73,-95.57 r0.5
  circle w0.254: c-28.73,-93.03 r0.5
  circle w0.254: c-31.27,-93.03 r0.5
  circle w0.254: c-31.27,-95.57 r0.5
  circle w0.254: c-33.81,-93.03 r0.5
  circle w0.254: c-33.81,-95.57 r0.5
  circle w0.254: c-36.35,-95.57 r0.5
  circle w0.254: c-36.35,-93.03 r0.5
  circle w0.254: c-38.89,-93.03 r0.5
  circle w0.254: c-38.89,-95.57 r0.5
  circle w0.254: c-41.43,-95.57 r0.5
  circle w0.254: c-41.43,-93.03 r0.5
  circle w0.2: c-57.65,-97.65 r1.35
  circle w0.2: c-2.35,-97.65 r1.35
  circle w0.254: c-6.97,-28.73 r0.5
  circle w0.254: c-4.43,-28.73 r0.5
  circle w0.254: c-6.97,-31.27 r0.5
  circle w0.254: c-4.43,-31.27 r0.5
  circle w0.254: c-6.97,-33.81 r0.5
  circle w0.254: c-4.43,-33.81 r0.5
  circle w0.254: c-6.97,-36.35 r0.5
  circle w0.254: c-4.43,-36.35 r0.5
  circle w0.254: c-4.43,-38.89 r0.5
  circle w0.254: c-6.97,-38.89 r0.5
  circle w0.254: c-6.97,-41.43 r0.5
  circle w0.254: c-4.43,-41.43 r0.5
  circle w0.254: c-6.97,-43.97 r0.5
  circle w0.254: c-4.43,-43.97 r0.5
  circle w0.254: c-4.43,-46.51 r0.5
  circle w0.254: c-6.97,-46.51 r0.5
  circle w0.254: c-6.97,-49.05 r0.5
  circle w0.254: c-4.43,-49.05 r0.5
  circle w0.254: c-4.43,-51.59 r0.5
  circle w0.254: c-6.97,-51.59 r0.5
  circle w0.254: c-4.43,-13.49 r0.5
  circle w0.254: c-6.97,-13.49 r0.5
  circle w0.254: c-6.97,-16.03 r0.5
  circle w0.254: c-4.43,-16.03 r0.5
  circle w0.2: c-2.35,-2.35 r1.35
  circle w0.2: c-57.65,-2.35 r1.35
  region: -10.709,-1.35 -13.009,-1.35 -13.009,-3.25 -10.709,-3.25
  region: -13.559,-1.35 -15.334,-1.35 -15.334,-3.25 -13.559,-3.25
  rectangle: -17.641,-3.25 -15.866,-1.35
  rectangle: -20.491,-3.25 -18.191,-1.35
  rectangle: -14.516,-5.85 -14.091,-4.45
  rectangle: -15.166,-5.85 -14.741,-4.45
  rectangle: -15.816,-5.85 -15.391,-4.45
  rectangle: -16.466,-5.85 -16.041,-4.45
  rectangle: -17.116,-5.85 -16.691,-4.45
  lines w0.1: -30.5,-94.3 -29.5,-94.3 ; -30,-94.792 -30,-93.792 ; -6.208,-75.72 -5.208,-75.72 ; -6.208,-40.16 -5.208,-40.16 ; -6.208,-14.76 -5.208,-14.76 ; -5.708,-15.26 -5.708,-14.26 ; -5.7,-76.22 -5.7,-75.22 ; -5.7,-40.66 -5.7,-39.66
  text "Medium MCU Connector Placement" at -63.316,6.575 h5
  text "DEBUG USB" at -19.95,-7.575 h1
  text "1" at -7.137,-12.05 h1
  text "2" at -4.763,-12.05 h1
  text "Power Header" at -22.594,-15.26 h1
  text "1" at -7.137,-27.29 h1
  text "2" at -4.763,-27.29 h1
  text "Extension Header 1" at -28.092,-40.66 h1
  text "1" at -7.137,-62.85 h1
  text "2" at -4.763,-62.85 h1
  text "Extension Header 2" at -28.092,-76.22 h1
  text "Extension Header 3" at -38.664,-91.138 h1
  text "1" at -15.78,-93.197 h1 r90
  text "2" at -15.78,-95.903 h1 r90
Mechanical 6:
  circle w0.254: c-57.65,-2.35 r1.35
  circle w0.254: c-2.35,-2.35 r1.35
  circle w0.254: c-2.35,-97.65 r1.35
  circle w0.254: c-57.65,-97.65 r1.35
  text "Medium MCU Mechanical Dimensions" at -65.225,6.713 h5
Mechanical 12:
  circle w0.2: c-57.65,-2.35 r1.35
  circle w0.2: c-2.35,-2.35 r1.35
  circle w0.5: c-41.6,-1.5 r0.25
  circle w0.5: c-41.6,-3.5 r0.25
  circle w0.5: c-41.6,-5.5 r0.25
  circle w0.5: c-41.6,-7.5 r0.25
  circle w0.5: c-38.6,-1.5 r0.25
  circle w0.5: c-38.6,-3.5 r0.25
  circle w0.5: c-38.6,-5.5 r0.25
  circle w0.5: c-38.6,-7.5 r0.25
  circle w0.5: c-33,-1.5 r0.25
  circle w0.5: c-26,-1.5 r0.25
  lines w0.3: -48.15,-22.225 -41.65,-22.225 -41.65,-8.425 ; -48.15,-20.075 -43.6,-20.075 -43.6,-5.525 ; -48.15,-17.8 -44.625,-17.8 -44.625,-3.475 -42.325,-3.475 ; -48.15,-15.725 -45.525,-15.725 -45.525,-1.5 -42.325,-1.5 ; -43.054,-6.2 -42.354,-5.5 -43.054,-4.8 ; -43.025,-4.175 -42.325,-3.475 ; -43.025,-2.775 -42.325,-3.475 ; -43.025,-2.2 -42.325,-1.5 ; -43.025,-0.8 -42.325,-1.5 ; -42.35,-9.125 -41.65,-8.425 ; -42.3,-9.225 -41.6,-8.525 -40.9,-9.225 ; -40.95,-9.125 -41.65,-8.425 ; -39.3,-9.225 -38.6,-8.525 -37.9,-9.225 ; -39.25,-9.125 -38.55,-8.425 ; -37.85,-9.125 -38.55,-8.425 ; -37.175,-6.125 -37.875,-5.425 ; -37.175,-4.725 -37.875,-5.425 ; -37.175,-4.175 -37.875,-3.475 ; -37.175,-2.775 -37.875,-3.475 ; -37.175,-2.2 -37.875,-1.5 ; -37.175,-0.8 -37.875,-1.5 ; -33.675,-3.25 -32.975,-2.55 ; -32.975,-7.125 -32.975,-2.55 ; -32.275,-3.25 -32.975,-2.55 ; -32.05,-22.225 -38.55,-22.225 -38.55,-8.425 ; -32.05,-20.075 -36.6,-20.075 -36.6,-5.425 -37.875,-5.425 ; -32.05,-17.8 -35.575,-17.8 -35.575,-3.475 -37.875,-3.475 ; -32.05,-15.725 -34.675,-15.725 -34.675,-1.5 -37.875,-1.5 ; -26.7,-3.2 -26,-2.5 ; -26,-4.5 -26,-2.5 ; -25.3,-3.2 -26,-2.5
  text "Medium MCU Test Points Placement" at -64.437,12.6 h5
  text "TP_TARGET_RESET" at -26.425,-6.075 h1
  text "TP_TARGET_BOOT" at -33.45,-8.7 h1
  text "TP_GND" at -54.427,-16.175 h1
  text "TP_EDBG_BOOT" at -31.25,-16.175 h1
  text "TP_EDBG_TCK" at -59.377,-18.383 h1
  text "TP_EDBG_RESET" at -31.25,-18.383 h1
  text "TP_EDBG_TDI" at -59.044,-20.592 h1
  text "TP_EDBG_TDO" at -31.25,-20.592 h1
  text "TP_EDBG_TMS" at -59.377,-22.8 h1
  text "TP_VCC_EDBG_P3V3" at -31.25,-22.8 h1
  text "TEST POINTS ON BOTTOM LAYER" at -52.725,-27.9 h1
Mechanical 14:
  drawing of 230 lines, arcs and shapes, not listed
  text "DEBUG USB" at -19.95,-6.95 h1
  text "VCC Select" at -25.369,-10.162 h1
  text "MCU Power" at -35.625,-10.586 h1 r90
  text "1" at -7.162,-12.05 h1
  text "2" at -4.788,-12.05 h1
  text "1" at -41.437,-13.888 h1
  text "2" at -39.063,-13.877 h1
  text "CAN" at -57.332,-15.53 h1
  text "3" at -23.398,-15.662 h1
  text "2" at -20.858,-15.662 h1
  text "1" at -18.152,-15.662 h1
  text "Power Header" at -1.562,-16.403 h1 r90
  text "2" at -54.048,-17.9 h1
  text "1" at -53.882,-20.44 h1
  text "SAM C21" at -15.622,-21.437 h1
  text "Cortex Debug" at -20.787,-23.25 h1
  text "1" at -7.162,-27.29 h1
  text "2" at -4.788,-27.29 h1
  text "2" at -49.376,-28.43 h1
  text "LIN" at -57.2,-28.62 h1
  text "LIN MASTER NODE" at -47.763,-29.7 h1
  text "3" at -54.048,-30.99 h1
  text "1" at -49.209,-30.97 h1
  text "2" at -54.048,-33.53 h1
  text "1" at -53.882,-36.07 h1
  text "1" at -49.108,-38.925 h1
  text "DAC" at -57.257,-39.83 h1
  text "LIN VCC" at -47.763,-40.195 h1
  text "2" at -49.275,-41.465 h1
  text "10" at -13.434,-41.676 h1
  text "1" at -53.882,-42.5 h1
  text "2" at -54.048,-45.04 h1
  text "Extension Header 1" at -1.687,-48.657 h1 r90
  text "1" at -55.748,-50.82 h1
  text "ADC/DAC VREF" at -51.524,-54.775 h1
  text "2" at -50.902,-57.466 h1
  text "6" at -41.118,-57.46 h1
  text "1" at -50.735,-60.006 h1
  text "5" at -41.118,-60 h1
  text "J801 Digital High" at -13.962,-60.442 h1 r90
  text "1" at -7.137,-62.85 h1
  text "2" at -4.763,-62.85 h1
  text "J802 Power" at -53.308,-64.125 h1 r90
  text "1" at -12.268,-64.536 h1
  text "8" at -55.915,-68.6 h1
  text "8" at -12.601,-68.6 h1
  text "1" at -55.748,-73.68 h1
  text "J800 SPI" at -36.341,-84.039 h1
  text "Extension Header 2" at -1.662,-84.217 h1 r90
  text "J804 Digital Low" at -13.962,-84.493 h1 r90
  text "J803 Analog" at -53.475,-84.784 h1 r90
  text "6" at -55.915,-86.38 h1
  text "1" at -12.268,-86.38 h1
  text "5" at -37.63,-86.525 h1
  text "1" at -27.846,-86.519 h1
  text "6" at -37.63,-89.065 h1
  text "2" at -28.012,-89.059 h1
  text "1" at -16.767,-93.53 h1
  text "2" at -16.767,-96.07 h1
  text "Extension Header 3" at -38.664,-98.875 h1
Mechanical 16:
  lines w0.1: -30.075,-32.2 -30.087,-32.2 -30.062,-32.225
  lines w0.127: -219,-126.915 -213.92,-126.915 ; -219,-56.255 -213.92,-56.255 ; -219,14.23 -213.92,14.23 ; -169.724,-197.4 -169.724,-192.32 ; -169.724,79.46 -169.724,84.54 ; -125.7,79.46 -125.7,84.54 ; -120.575,-197.4 -120.575,-192.32 ; -76.525,79.46 -76.525,84.54 ; -71.426,-197.4 -71.426,-192.32 ; -22.15,-197.4 -22.15,-192.32 ; -22.15,79.46 -22.15,84.54 ; 26.999,-197.4 26.999,-192.32 ; 26.999,79.46 26.999,84.54 ; 55.32,-184.7 169.62,-184.7 ; 55.32,-177.08 169.62,-177.08 ; 55.32,-169.46 93.42,-169.46 ; 76.148,-197.4 76.148,-192.32 ; 76.148,79.46 76.148,84.54 ; 93.42,-192.32 93.42,-177.08 93.42,-161.84 ; 125.424,-197.4 125.424,-192.32 ; 125.424,79.46 125.424,84.54 ; 146.76,-192.32 146.76,-177.08 ; 169.62,-126.915 174.7,-126.915 ; 169.62,-56.3 174.7,-56.3 ; 169.62,14.185 174.7,14.185 ; 55.32,-192.32 19.76,-192.32 19.76,-161.84 55.32,-161.84 ; 55.32,-192.32 169.62,-192.32 ; 55.32,-192.32 55.32,-161.84 ; 55.32,-161.84 93.42,-161.84 ; 93.42,-161.84 169.62,-161.84 169.62,-192.32 ; 169.62,-192.32 -213.92,-192.32 -213.92,79.46 169.62,79.46 169.62,-192.32 ; -219,-197.4 -219,84.54 174.7,84.54 174.7,-197.4 -219,-197.4
  text "1" at -194.963,81.111 h0.67
  text "4" at -47.372,81.111 h0.67
  text "5" at 1.904,81.111 h0.67
  text "6" at 50.926,81.111 h0.67
  text "7" at 100.456,81.111 h0.67
  text "8" at 149.478,81.111 h0.67
  text "2" at -148.474,80.975 h0.67
  text "3" at -101.924,80.825 h0.67
  text "A" at -217.095,47.301 h0.67
  text "A" at 171.525,47.256 h0.67
  text "B" at 171.605,-20.799 h0.67
  text "B" at -217.095,-23.311 h0.67
  text "C" at 172.25,-90.25 h0.67
  text "C" at -217.188,-91.488 h0.67
  text "D" at -217.095,-164.202 h0.67
  text "D" at 171.525,-164.202 h0.67
  text "ENGINEER:" at 56.59,-164.38 h0.67
  text "TITLE:" at 94.69,-164.38 h0.67
  text "PCB DESIGNER:" at 56.59,-171.873 h0.67
  text "B" at 20.75,-177 h22
  text "DATE:" at 56.59,-179.62 h0.67
  text "PART NO.:" at 94.69,-179.62 h0.67
  text "REV:" at 148.03,-179.62 h0.67
  text ".PRINT_DATE" at 56.7,-183.5 h0.67
  text "ATMEL NORWAY" at 24,-184.4 h0.67
  text "Vestre Rosten 79" at 23.97,-186.478 h0.67
  text "FILE NAME:" at 56.59,-187.24 h0.67
  text "DWG NO:" at 94.69,-187.24 h0.67
  text "SCALE:" at 148.03,-187.24 h0.67
  text "N-7075 Tiller" at 23.97,-189.78 h0.67
  text ".PCB_FILE_NAME_NO_PATH" at 57.86,-190.288 h0.67
  text "2" at -145.34,-195.688 h0.67
  text "3" at -95.81,-195.688 h0.67
  text "4" at -46.788,-195.688 h0.67
  text "5" at 1.904,-195.688 h0.67
  text "6" at 50.926,-195.688 h0.67
  text "7" at 100.456,-195.688 h0.67
  text "8" at 149.478,-195.688 h0.67

## Dimensions
-41.85,-5.5 to -41.85,-7.5 on Mechanical 12
-25.75,-1.5 to 0,0 on Mechanical 12
0,0.254 to -41.6,-1.25 on Mechanical 12
0,0 to -38.6,-1.25 on Mechanical 12
0,0 to -33,-1.25 on Mechanical 12
0,0 to -26,-1.25 on Mechanical 12
0,-100 to -60,-100 on Mechanical 6
-21.375,-0.001 to 0,0 on Mechanical 6
0,0 to -9.825,-0.001 on Mechanical 6
-60,-100 to -57.65,-99 on Mechanical 6
-59,-97.65 to -60,-100 on Mechanical 6
-57.65,-2.35 to -62.775,1.6 on Mechanical 6
0,0 to 0,-100 on Mechanical 6
-5.208,-75.72 to 0,-100 on Mechanical 4
-30,-94.792 to 0,-100 on Mechanical 4
-29.5,-94.3 to 0,-100 on Mechanical 4
-5.208,-14.76 to 0,-100 on Mechanical 4
-5.208,-40.16 to 0,-100 on Mechanical 4
-15.1,-2.3 to 0,-100 on Mechanical 4
0,0 to -15.6,-1.8 on Mechanical 4

## Text inside footprints (layer, text, board x,y; h text height)
LABEL1: Bottom Overlay "PCBA LABEL" at -39.662,-78.6 h1.52 r270